# KiCad board mist1010.kicad_pcb (continued)
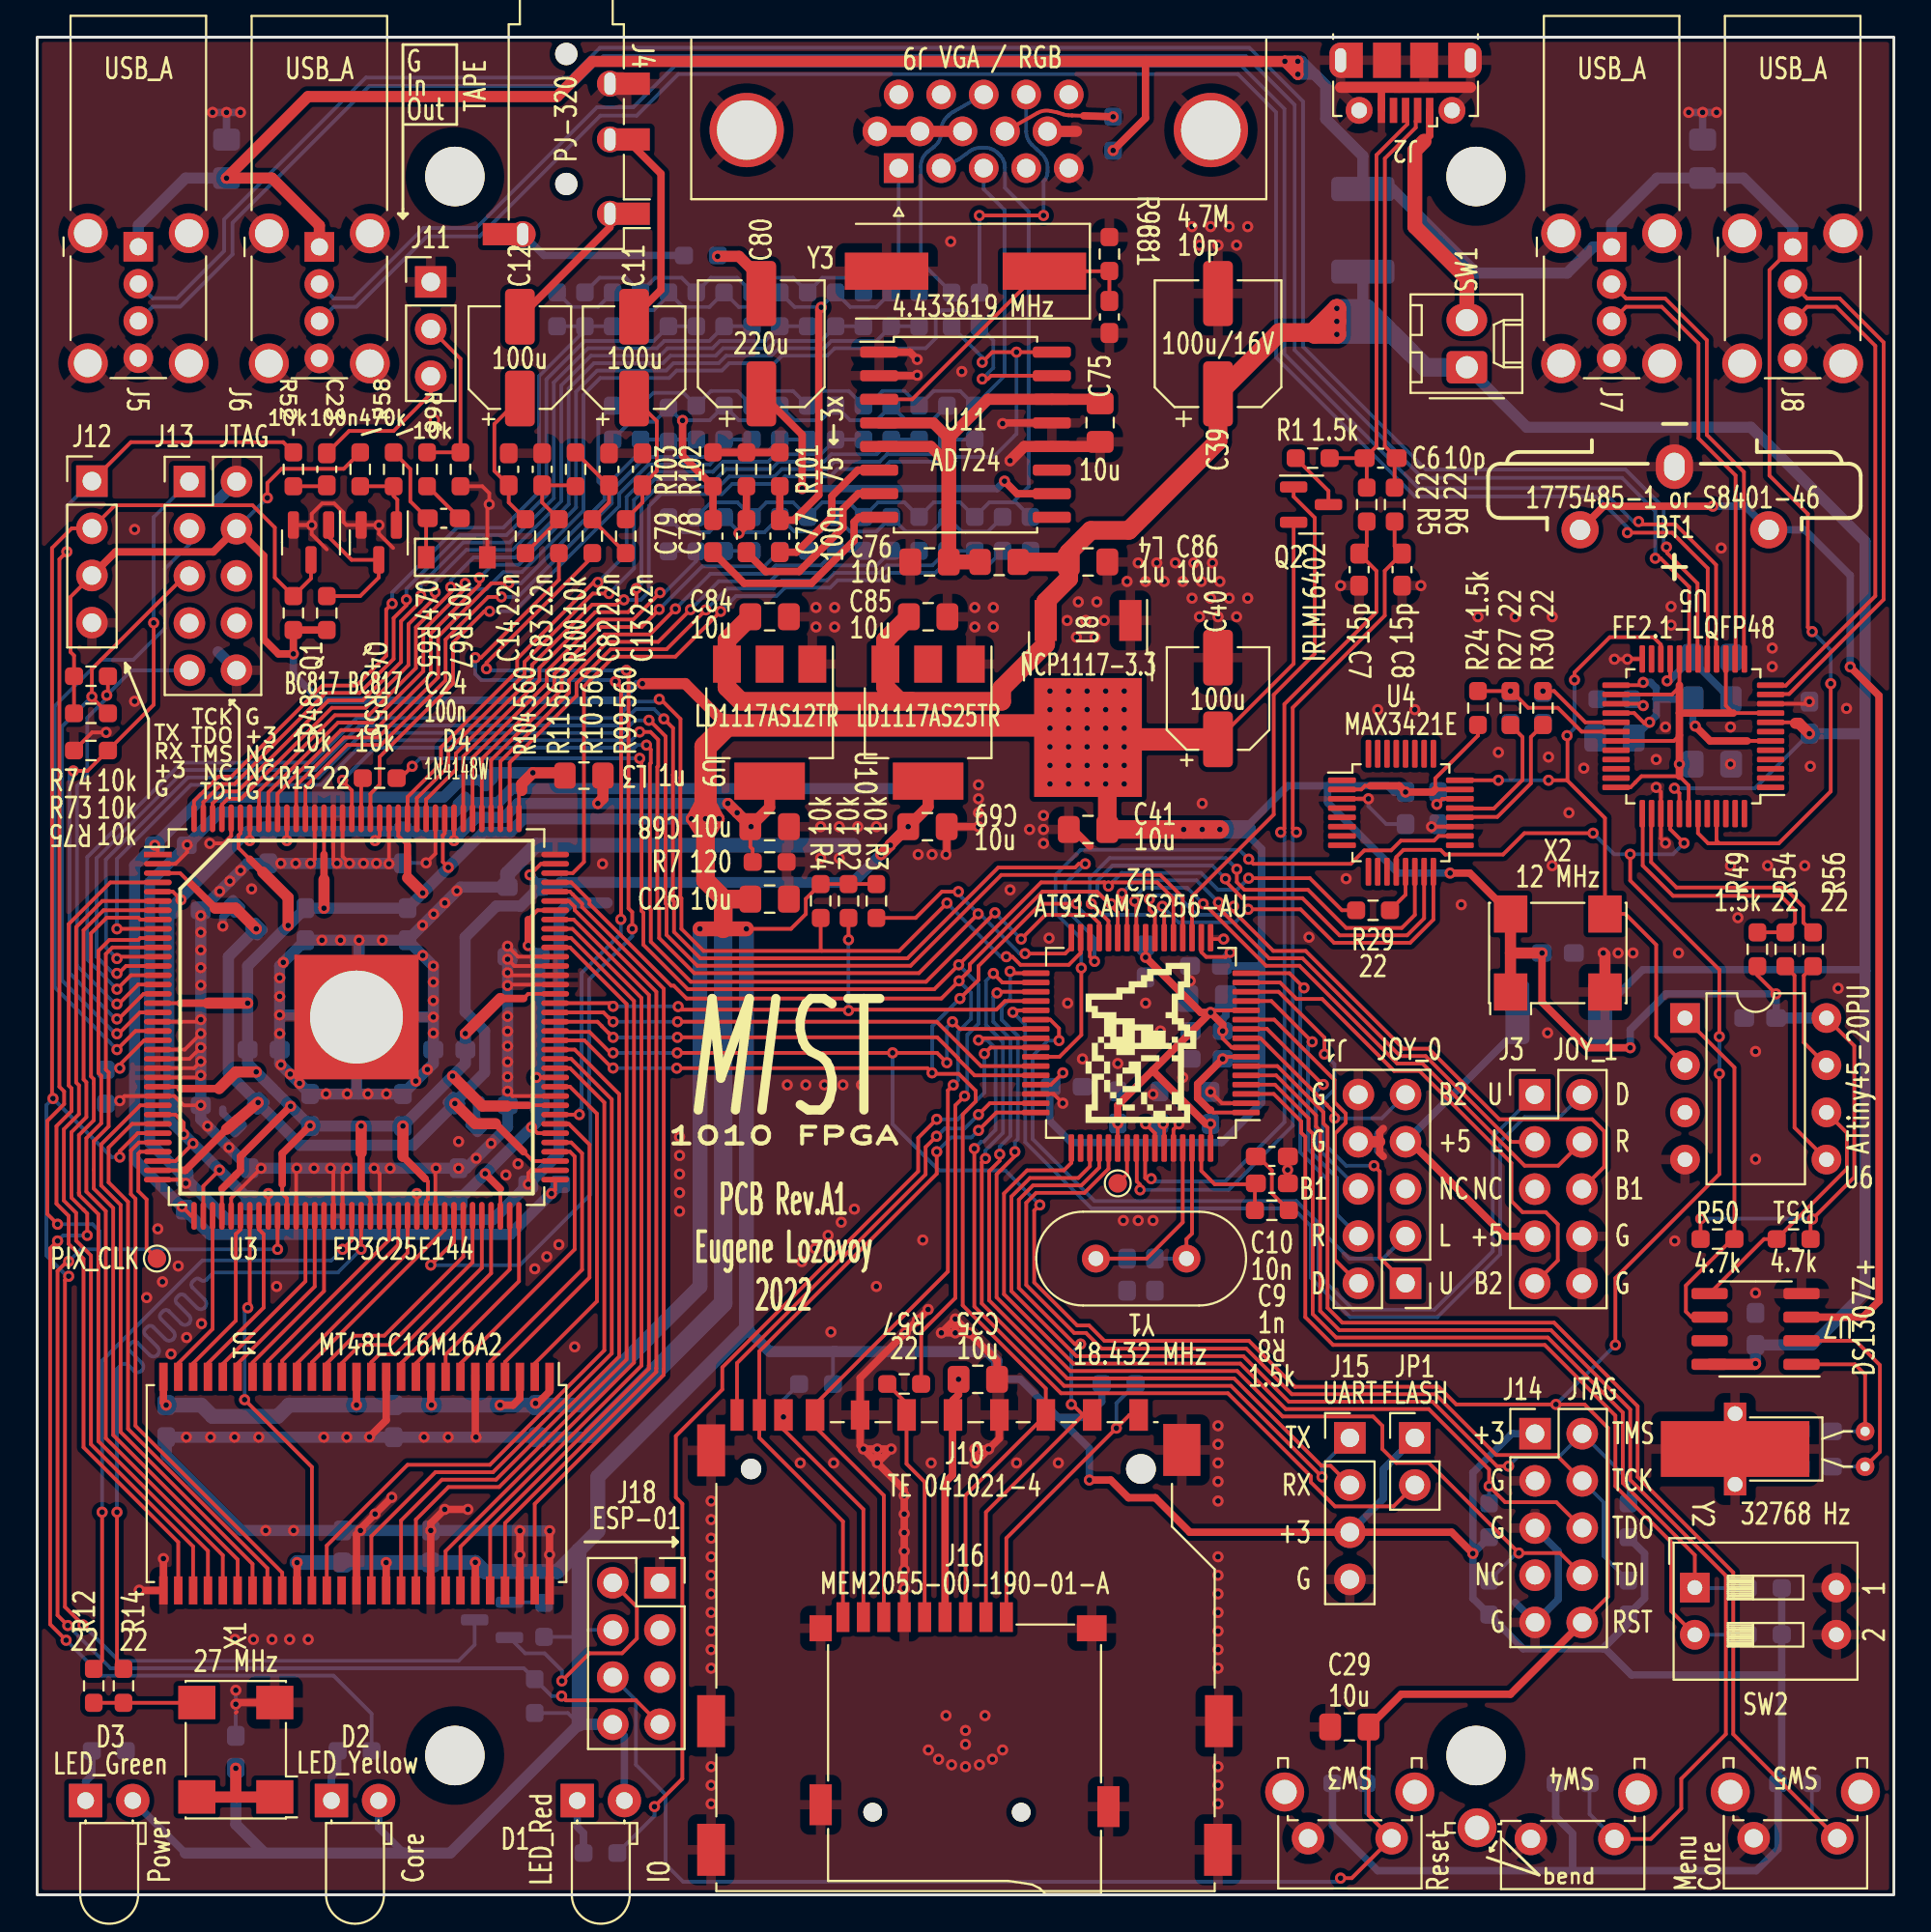
[diagram p0: board, top side]
## Routing (per net, layer and track width the routed paths; a pad name or vN(x,y) marks a point on that pad's centre or on a via; arc(x,y) is an arc through that point) (continued)
  Top w0.2: v1(87.75,72.55) 87.75,72.31 87.8,72.26 87.8,72.22 89.43,70.59 89.43,66.55 U5.18
  Bottom w0.2: v1(87.75,72.55) 87.6,72.7 87.6,74.67 85.54,76.72 74.79,76.72 68.17,83.34 68.17,96.54 65.29,99.43 30.31,99.43 28.71,97.82 17.71,97.82 10.08,90.19 10.08,88.49 7.53,85.95 6.22,85.95 J5.2
/USBHUB1_DP: length 115.4
  Top w0.2: v1(87.15,71.95) 87.43,71.95 88.97,70.41 88.97,66.55 U5.19
  Bottom w0.2: v1(87.15,71.95) 87.15,74.48 85.36,76.27 74.61,76.27 67.73,83.16 67.73,96.36 65.1,98.98 30.5,98.98 28.89,97.38 17.89,97.38 10.52,90.01 10.52,88.31 7.71,85.49 6.22,85.49 J5.3
/USBHUB2_DN: length 104.7
  Top w0.2: v1(86.25,73.93) 86.4,73.77 88.24,73.77 90.43,71.59 90.43,66.55 U5.16
  Bottom w0.2: v1(86.25,73.93) 85.97,73.93 84.17,75.72 74.39,75.72 67.17,82.94 67.17,96.14 64.86,98.46 34.34,98.46 32.11,96.22 30.15,96.22 23.65,89.72 20.81,89.72 17.02,85.94 15.97,85.94 J6.2
/USBHUB2_DP: length 104.1
  Top w0.2: v1(85.65,73.32) 88.06,73.32 89.97,71.41 89.97,66.55 U5.17
  Bottom w0.2: v1(85.65,73.32) 85.65,73.61 83.98,75.27 74.21,75.27 66.73,82.76 66.73,95.96 64.67,98.01 34.53,98.01 32.29,95.77 30.33,95.77 23.83,89.27 20.99,89.27 17.2,85.48 15.97,85.48 J6.3
/USBHUB3_DN: length 24.4
  Top w0.2: U5.13 91.93,66.55 91.93,76.59 89.92,78.59 89.92,83.69 87.68,85.94 85.57,85.94 J7.2
/USBHUB3_DP: length 23.6
  Top w0.2: J7.3 85.57,85.48 87.5,85.48 89.48,83.51 89.48,78.41 91.47,76.41 91.47,66.55 U5.14
/USBHUB4_DN: length 28.2
  Top w0.2: U5.11 93.39,64.64 94.36,64.64 99.45,69.73 99.45,83.57 97.08,85.94 95.32,85.94 J8.2
/USBHUB4_DP: length 26.8
  Top w0.2: U5.12 93.39,65.09 94.17,65.09 99,69.92 99,83.38 96.9,85.48 95.32,85.48 J8.3
/VGA_B0: length 41.4
  Top w0.2: v1(32.28,70.32) 32.28,69.5 31.83,69.05 30.06,69.05 27.05,66.04 27.05,65.38 22.95,61.28 U3.115
  Bottom w0.2: R41.1 R97.1 48.21,77.55 45.78,77.55 45.38,77.15 42.94,77.15 42.54,76.75 40.11,76.75 39.71,76.35 37.27,76.35 36.72,75.8 33.43,75.8 32.55,74.92 32.55,70.6 v1(32.28,70.32)
/VGA_B1: length 39.2
  Top w0.2: v1(30.8,70.05) 29.93,70.05 26.25,66.37 26.25,65.71 22.15,61.61 22.15,60.73 20.45,59.03 U3.120
  Bottom w0.2: v1(30.8,70.05) 32.15,71.4 32.15,75.09 33.26,76.2 36.56,76.2 37.11,76.75 39.54,76.75 39.94,77.15 42.38,77.15 42.78,77.55 45.21,77.55 R96.1 R40.1
/VGA_B2: length 36.4
  Top w0.2: v1(30.2,70.65) 29.96,70.65 25.85,66.54 25.85,65.87 21.75,61.77 21.75,60.9 19.95,59.1 U3.121
  Bottom w0.2: R39.1 R95.1 42.21,77.55 39.78,77.55 39.38,77.15 36.94,77.15 36.39,76.6 33.1,76.6 31.75,75.25 31.75,72.2 v1(30.2,70.65)
/VGA_B3: length 35.3
  Top w0.2: U3.125 17.95,59.27 18.45,59.77 18.45,61.26 22.4,65.21 22.4,67.41 24.08,69.09 v1(24.37,69.09)
  Bottom w0.2: R37.1 R94.1 39.21,77.55 36.78,77.55 36.23,77 32.93,77 31.35,75.42 31.35,74.75 25.69,69.09 v1(24.37,69.09)
/VGA_B4: length 35.2
  Top w0.2: U3.132 14.45,59.65 16.7,61.9 18.53,61.9 22,65.37 22,67.57 24.29,69.87 v1(25,69.87)
  Bottom w0.2: v1(25,69.87) 25.9,69.87 30.95,74.91 30.95,75.58 32.77,77.4 36.06,77.4 R93.1 R35.1
/VGA_B5: length 38.1
  Top w0.2: U3.133 13.95,59.72 16.54,62.3 18.36,62.3 21.6,65.54 21.6,67.74 24.46,70.6 v1(25.4,70.6)
  Bottom w0.2: v1(25.4,70.6) 26.07,70.6 30.55,75.08 30.55,75.75 ; R91.1 30.23,79.39 30.23,76.07 30.55,75.75 ; 30.55,75.75 32.5,77.7 R33.1 33.85,78.34 34,78.19 34.15,78.34 R34.1
/VGA_G0: length 38.3
  Top w0.2: U3.106 28.85,55 29.45,55.6 29.45,65.05 31.05,66.65 34.38,66.65 v1(36.81,69.09)
  Bottom w0.2: v1(36.81,69.09) 37.64,69.91 39.82,69.91 40.27,70.36 42.71,70.36 43.11,70.76 45.54,70.76 45.94,71.16 48.38,71.16 48.78,71.56 51.21,71.56 R90.1 R32.1
/VGA_G1: length 33.2
  Top w0.2: U3.110 25.45,60.95 29.05,64.55 29.05,65.22 30.89,67.05 33.9,67.05 v1(36.02,69.17)
  Bottom w0.2: v1(36.02,69.17) 37.16,70.31 39.66,70.31 40.11,70.76 42.54,70.76 42.94,71.16 45.38,71.16 45.78,71.56 48.21,71.56 R88.1 R31.1
/VGA_G2: length 30.7
  Top w0.2: U3.111 24.95,61.02 28.65,64.72 28.65,65.38 30.72,67.45 33.45,67.45 v1(35.19,69.19)
  Bottom w0.2: v1(35.19,69.19) 36.71,70.71 39.49,70.71 39.94,71.16 42.38,71.16 42.78,71.56 45.21,71.56 R87.1 R28.1
/VGA_G3: length 28.2
  Top w0.2: v1(34.38,69.22) 33,67.85 30.55,67.85 28.25,65.55 28.25,64.88 24.45,61.08 U3.112
  Bottom w0.2: R26.1 R86.1 42.21,71.56 39.78,71.56 39.33,71.11 36.27,71.11 v1(34.38,69.22)
/VGA_G4: length 25.8
  Top w0.2: v1(33.5,69.2) 32.55,68.25 30.39,68.25 27.85,65.71 27.85,65.05 23.95,61.15 U3.113
  Bottom w0.2: R25.1 R85.1 39.16,71.51 35.82,71.51 v1(33.5,69.2)
/VGA_G5: length 25.1
  Top w0.2: v1(33.54,70.1) 33.54,70.09 32.11,68.65 30.22,68.65 27.45,65.88 27.45,65.21 23.45,61.21 U3.114
  Bottom w0.2: 35.5,72.35 35.5,71.81 33.79,70.1 v1(33.54,70.1) ; 35.5,72.35 38.5,72.35 ; 35.5,72.35 34,72.35
/VGA_HS: length 55.5
  Top w0.2: U11.16 51.45,83.04 v1(50.9,82.5) ; U3.119 20.95,58.97 22.55,60.57 22.55,61.44 26.65,65.54 26.65,66.21 29.89,69.45 31.2,69.45 31.46,69.71 v1(31.6,69.71)
  Bottom w0.2: v1(50.9,82.5) 50.9,82.77 R43.1 ; v1(31.6,69.71) 32.51,69.71 32.95,70.15 32.95,74.76 33.59,75.4 36.89,75.4 37.44,75.95 39.87,75.95 40.27,76.35 42.71,76.35 43.11,76.75 45.54,76.75 45.94,77.15 48.38,77.15 48.63,77.4 51.5,77.4 52.74,78.64 v1(52.74,83.04)
/VGA_R0: length 51.5
  Top w0.2: U3.135 12.95,59.28 16.37,62.7 18.2,62.7 21.2,65.7 21.2,67.9 23.82,70.53 v1(23.82,70.89)
  Bottom w0.2: v1(23.82,70.89) 24.53,71.6 25.94,71.6 29.03,74.69 29.03,80.92 30.16,82.05 33.87,82.05 34.27,82.45 36.71,82.45 37.11,82.85 39.54,82.85 39.94,83.25 42.38,83.25 42.78,83.65 45.21,83.65 R82.1 R21.1
/VGA_R1: length 49.7
  Top w0.2: v1(22.28,70.39) 22.28,70.11 20.4,68.23 20.4,66.03 17.87,63.5 16.04,63.5 11.95,59.41 U3.137
  Bottom w0.2: v1(22.28,70.39) 22.28,70.76 23.51,72 25.77,72 28.63,74.85 28.63,81.08 29.99,82.45 33.71,82.45 34.11,82.85 36.54,82.85 36.94,83.25 39.38,83.25 39.78,83.65 42.21,83.65 R81.1 R20.1
/VGA_R2: length 48.4
  Top w0.2: U3.141 9.95,58.69 10.26,59 10.97,59 15.87,63.9 17.7,63.9 20,66.2 20,68.4 21.44,69.84 v1(21.44,70.12)
  Bottom w0.2: v1(21.44,70.12) 21.44,70.72 23.11,72.4 25.61,72.4 28.23,75.02 28.23,81.25 29.83,82.85 33.54,82.85 33.94,83.25 36.38,83.25 36.78,83.65 39.21,83.65 R80.1 R19.1
/VGA_R3: length 45.9
  Top w0.2: U3.142 9.45,58.75 10.1,59.4 10.8,59.4 15.7,64.3 17.53,64.3 19.6,66.36 19.6,68.56 20.66,69.63 v1(20.66,69.93)
  Bottom w0.2: v1(20.66,69.93) 20.66,70.51 22.95,72.8 25.44,72.8 27.83,75.18 27.83,81.42 29.66,83.25 33.38,83.25 33.78,83.65 36.21,83.65 R79.1 R18.1
/VGA_R4: length 43.5
  Top w0.2: U3.143 8.95,58.82 9.93,59.8 10.63,59.8 15.53,64.7 17.37,64.7 19.2,66.53 19.2,68.73 19.89,69.42 v1(19.89,69.72)
  Bottom w0.2: R17.1 R78.1 33.21,83.65 29.5,83.65 27.43,81.58 27.43,75.35 25.28,73.2 22.78,73.2 19.89,70.31 v1(19.89,69.72)
/VGA_R5: length 42.7
  Top w0.2: U3.144 8.45,58.88 9.77,60.2 10.47,60.2 15.37,65.1 17.2,65.1 18.8,66.7 18.8,69.19 v1(19.12,69.51)
  Bottom w0.2: v1(19.12,69.51) 19.12,70.1 22.62,73.6 25.11,73.6 27.03,75.51 27.03,81.75 29.5,84.22 R15.1 ; R76.1 R16.1
/VGA_VS: length 64.1
  Top w0.2: U11.15 51.37,81.77 51.2,81.6 v1(50.9,81.6) ; U3.136 12.45,59.35 16.21,63.1 18.03,63.1 20.8,65.87 20.8,68.07 23.05,70.32 v1(23.05,70.6)
  Bottom w0.2: v1(23.05,70.6) 23.36,70.29 24.21,70.29 25.11,71.2 26.11,71.2 29.43,74.52 29.43,80.75 30.33,81.65 34.04,81.65 34.44,82.05 36.87,82.05 37.27,82.45 39.71,82.45 40.11,82.85 42.54,82.85 42.94,83.25 47.85,83.25 48.4,83.8 48.4,85 48.7,85.3 49.87,85.3 R42.1 51.5,83.68 51.5,82.2 v1(50.9,81.6)
/VS: length 14.6
  Top w0.2: v1(54.2,90.4) v1(50.75,90.4)
  Bottom w0.2: J9.14 53.27,94.93 arc(53.35,94.53) 53.59,94.19 54.1,93.72 arc(54.34,93.38) 54.42,92.98 54.42,92.81 54.42,92.72 54.38,92.52 54.3,92.34 54.2,92.24 v1(54.2,90.4) ; v1(50.75,90.4) R42.2
/~{JOY0_B1}: length 12.2
  Top w0.2: v1(69.27,43.62) 69.23,43.62 66.24,46.61 U2.10
  Bottom w0.2: J1.6 68.85,40.31 68.85,43.2 v1(69.27,43.62)
/~{JOY0_B2}: length 11.1
  Top w0.2: U2.9 65.89,46.11 69.47,42.53 69.47,42.5 69.88,42.09 v1(69.88,41.81)
  Bottom w0.2: v1(69.88,41.81) 69.89,41.8 72.42,41.8 J1.9
/~{JOY0_DOWN}: length 18.1
  Top w0.2: U2.11 66.63,47.11 69.87,43.87 69.87,42.67 70.48,42.06 70.48,41.56 69.9,40.98 69.9,34.18 J1.2
/~{JOY0_LEFT}: length 22.7
  Top w0.2: v1(68.23,48.83) 67.44,49.61 U2.16
  Bottom w0.2: J1.3 72.49,34.25 70.67,34.25 69.5,35.42 69.5,38.5 68.03,39.97 68.03,48.63 v1(68.23,48.83)
/~{JOY0_RIGHT}: length 16.1
  Top w0.2: U2.13 66.48,48.11 v1(68.67,45.92)
  Bottom w0.2: J1.4 70,36.62 70,38.59 68.45,40.14 68.45,45.7 v1(68.67,45.92)
/~{JOY0_UP}: length 21.7
  Top w0.2: v1(69.33,45.26) 69.33,46.15 66.86,48.61 U2.14 ; J1.1 72.31,34.31 72.31,38.94 v1(72,39.25)
  Bottom w0.2: v1(72,39.25) 70.5,39.25 69.25,40.5 69.25,42.75 69.87,43.37 69.87,44.72 v1(69.33,45.26)
/~{JOY1_B1}: length 36.2
  Top w0.2: J3.6 84.4,39.19 84.4,41.1 83.75,41.75 78.75,41.75 74.95,45.55 73.58,45.55 68.32,50.81 66.58,50.81 64.44,52.95 v1(64.44,53.21) ; U2.23 60.2,52.73 59.9,53.03 v1(59.9,53.6)
  Bottom w0.2: v1(64.44,53.21) 63.98,52.75 62.45,52.75 61.39,53.81 60.11,53.81 v1(59.9,53.6)
/~{JOY1_B2}: length 27.1
  Top w0.2: U2.15 66.94,49.11 67.83,48.23 69.21,48.23 73.08,44.35 74.45,44.35 79.4,39.4 79.4,37.35 80,36.75 81.25,36.75 81.9,36.1 81.9,34.15 J3.9
/~{JOY1_DOWN}: length 52.6
  Top w0.2: v1(52.55,47.51) 52.66,47.61 U2.37
  Bottom w0.2: v1(52.55,47.51) 53.22,46.84 53.22,40.52 56.79,36.95 67.65,36.95 68.6,36 68.6,33.21 70.71,31.1 75.42,31.1 78.8,34.48 78.8,40.55 80.12,41.87 82,41.87 J3.2
/~{JOY1_LEFT}: length 31
  Top w0.2: U2.26 58.7,53.01 58.45,53.26 58.45,53.88 v1(58.42,53.9) ; J3.3 79.4,40.53 74.78,45.15 73.42,45.15 68.15,50.41 66.35,50.41 63.62,53.14 v1(63.62,53.42)
  Bottom w0.2: v1(63.62,53.42) 62.44,54.61 59.14,54.61 v1(58.42,53.9)
/~{JOY1_RIGHT}: length 33.2
  Top w0.2: v1(62.8,53.35) 62.85,53.35 66.19,50.01 67.99,50.01 73.25,44.75 74.62,44.75 80.12,39.25 81.92,39.25 J3.4 ; U2.25 59.2,53.4 v1(59.11,53.49)
  Bottom w0.2: v1(59.11,53.49) 59.11,53.7 59.63,54.21 61.94,54.21 v1(62.8,53.35)
/~{JOY1_UP}: length 49.2
  Top w0.2: v1(55.04,45.99) 55.04,46.64 54.56,47.11 U2.38
  Bottom w0.2: J3.1 78.4,40.81 78.4,34.65 75.25,31.5 70.88,31.5 69,33.38 69,36.17 67.82,37.35 56.95,37.35 53.62,40.69 53.62,45.17 54.44,45.99 55.02,45.99
/~{LED_ARM}: length 55.1
  Top w0.2: v1(51.02,45.28) 51.35,45.61 U2.41 ; v1(48.45,41.75) 47.45,40.75 47.45,38.95 36.9,28.4 36.9,27.2 34.4,24.7 34.4,21.4 34.75,21.05 34.75,6.25 v1(33.25,4.75)
  Bottom w0.2: v1(33.25,4.75) 33.25,4.25 R45.2 ; v1(51.02,45.28) 51.02,43.18 49.59,41.75 v1(48.45,41.75)
/~{LED_FPGA}: length 65.4
  Top w0.2: v1(1.1,35.2) 0.7,34.8 0.7,14.56 1.56,13.71 v1(1.56,13.71) ; U3.7 3.58,53 2.5,51.93 2.5,43.89 2.65,43.74 2.65,41.86 1.85,41.06 1.85,37.64 1.85,37.63 1.85,37.52 2.7,36.68 v1(2.7,35.5)
  Bottom w0.2: v1(1.56,13.71) 3.47,11.8 15.96,11.8 18.01,9.75 R46.2 ; v1(1.1,35.2) 1.4,35.5 v1(2.7,35.5)
/~{RAM_CAS}: length 11.6
  Top w0.2: U1.17 14.8,28.66 21.95,35.81 U3.64
/~{RAM_CS}: length 11.3
  Top w0.2: U1.19 13.2,28.75 19.45,35 U3.59
/~{RAM_RAS}: length 11.1
  Top w0.2: U3.60 19.95,34.56 14,28.61 U1.18
/~{RAM_WE}: length 12.7
  Top w0.2: U3.66 22.95,34.35 18.7,30.1 17.09,30.1 15.6,28.61 U1.16
Net-(C1-Pad2): length 29.5
  Top w0.2: U2.12 63.31,47.61 v1(63.2,47.5) ; v1(63.85,46.5) 63.85,46.1 64.34,45.61 U2.8 ; U2.64 v1(63.2,41.5) ; U2.54 v1(58.2,41.52) ; U2.24 v1(59.7,50.47)
  Top w0.4: v1(63.85,46.5) 63.85,46.85 v1(63.2,47.5) ; v1(63.2,47.5) 62.67,47.5 v1(59.7,50.47) ; v1(63.2,47.5) 60.08,44.38 ; 60.08,44.38 58.2,42.5 v1(58.2,41.52) ; 60.08,44.38 62.95,41.5 v1(63.2,41.5)
  Bottom w0.2: v1(63.2,47.5) 63.27,47.5 C1.2 ; v1(59.7,50.47) C3.2
  Bottom w0.4: C1.2 64.02,47.32 63.85,47.15 v1(63.85,46.5)
Net-(C9-Pad1): length 5.9
  Top w0.2: 65.59,36.8 65.59,38.25 63.43,38.25 62.7,38.98 U2.63
Net-(C10-Pad1): length 3.7
  Top w0.2: R8.1 66.5,37.76 66.5,39 65.75,39.75 C10.1
Net-(C11-Pad1): length 7.7
  Top w0.2: C11.1 33.37,79.33 33.37,76.65 C13.1 32.6,74.95 R99.2
Net-(C11-Pad2): length 10.9
  Top w0.4: C11.2 33.6,86.4 33.6,92.64 31.75,94.5
Net-(C12-Pad1): length 7.8
  Top w0.2: C12.1 24.63,79.18 24.63,76.65 C14.1 25.4,74.95 R104.2
Net-(C12-Pad2): length 8.4
  Top w0.4: 25.45,84.38 30.85,89.77 30.85,90.5
Net-(C15-Pad1): length 7.8
  Top w0.2: Y1.1 61.9,35.3 62.2,35.6 U2.62
  Bottom w0.2: Y1.1 C15.1
Net-(C16-Pad1): length 11.2
  Top w0.2: Y1.2 59.75,34.25 61.7,36.2 U2.61
  Bottom w0.2: Y1.2 C16.1
Net-(C17-Pad2): length 6.3
  Top w0.2: U5.21 87.95,65.51 v1(87.79,65.35)
  Bottom w0.4: L1.2 89.16,66.43 C17.2 87.9,65.35 v1(87.79,65.35)
Net-(C18-Pad2): length 15.5
  Top w0.2: 86.79,63.07 86.56,63.07 86.01,63.62 U5.28 ; U5.25 86.35,65.12 v1(86.5,65.27) ; U5.6 92.1,62.12
  Top w0.4: 86.79,63.07 v1(86.84,63.12) ; 92.1,62.12 90.1,62.12 v1(89.3,62.92)
  Bottom w0.4: v1(89.3,62.92) 89.17,63.04 L1.1 87.2,64.37 ; 87.2,64.37 87.2,63.48 v1(86.84,63.12) C18.2 ; 87.2,64.37 87.2,64.97 86.9,65.27 v1(86.5,65.27)
Net-(C19-Pad2): length 28.1
  Top w0.2: U5.20 88.45,65.02 88.05,64.62 U5.26 ; U5.31 88.15,62.12 88.45,62.42 ; U5.15 90.95,64.02 91.35,63.62 U5.9 ; U5.42 88.95,59.72 88.45,60.22 86.41,60.22 86.07,59.88 86.07,59.88 85.81,59.62 U5.36
  Top w0.4: 91.35,63.62 88.45,63.62 ; 88.45,63.62 88.45,60.22 ; 88.45,63.62 88.45,65.12
  Bottom w0.4: v1(88.45,60.87) C19.2
Net-(C20-Pad1): length 8.4
  Top w0.2: U5.30 83.18,62.62 81.9,63.9 80.3,63.9 79.4,64.8 v1(79.35,64.8) R24.2
  Bottom w0.2: C20.1 v1(79.35,64.8)
Net-(C21-Pad1): length 4.7
  Top w0.2: v1(81.1,64.8) 81.7,64.8 83.38,63.12 U5.29
  Bottom w0.2: C21.1 v1(81.1,64.8)
Net-(C22-Pad2): length 2.1
  Top w0.2: 76.62,59 75.69,59 v1(75.39,58.7)
  Bottom w0.2: v1(75.39,58.7) 75.45,58.76 C22.2
Net-(C23-Pad2): length 1.8
  Top w0.2: C23.2 15.55,75.82 13.8,75.82
Net-(C24-Pad1): length 6.5
  Top w0.2: R66.1 20.1,76.75 20.1,75.01 21.02,74.09 C24.1 20.95,74.01 D4.1
Net-(C24-Pad2): length 2.5
  Top w0.2: C24.2 21.04,75.82 21,75.82
Net-(C27-Pad1): length 12.4
  Top w0.2: U7.2 97.93,29.83 99.25,28.51 99.25,23.85 Y2.2
  Bottom w0.2: C27.1 Y2.2
Net-(C28-Pad1): length 8.5
  Top w0.2: Y2.1 98.45,28.01 97.9,28.56 U7.1
  Bottom w0.2: C28.1 Y2.1
Net-(C77-Pad1): length 7.8
  Top w0.4: U11.6 44.2,76.69 42.8,75.29 42.8,74.18 40.9,72.27 C77.1
Net-(C77-Pad2): length 36.8
  Top w0.4: 40,75.82 C77.2 40.75,74 42.1,75.35 42.1,85.33 v1(42.23,85.46)
  Bottom w0.2: R82.2 45.21,85.48 43.79,85.48 R81.2 42.21,85.48 40.79,85.48 R80.2 39.21,85.48 37.79,85.48 R79.2 36.21,85.48 34.79,85.48 R78.2 34,86.1 33.2,85.3 31.96,85.3 R77.2 30.21,85.48 28.79,85.48 R76.2
Net-(C78-Pad1): length 9.9
  Top w0.4: U11.7 44.23,75.42 43.4,74.6 43.4,73.6 41.04,71.24 39.24,71.24 C78.1
Net-(C78-Pad2): length 24.4
  Top w0.4: v1(37.8,73.3) 37.8,73.32 38.2,73.72 ; 38.2,75.82 C78.2
  Bottom w0.2: R83.2 34.8,73.35 36.19,73.35 R84.2 37.81,73.35 39.17,73.35 40,74.17 40.79,73.39 42.21,73.39 43,74.17 43.79,73.39 45.21,73.39 46,74.17 46.79,73.39 48.21,73.39 49,74.17 49.79,73.39 51.21,73.39 52,74.17
Net-(C79-Pad1): length 11.7
  Top w0.4: C79.1 38.08,70.6 41.7,70.6 44,72.9 44,73.9 44.26,74.16 U11.8
Net-(C79-Pad2): length 28
  Top w0.4: v1(34.76,79.37) 34.76,77.46 36.4,75.82 C79.2
  Bottom w0.2: R97.2 48.21,79.38 46.79,79.38 R96.2 45.21,79.38 43.79,79.38 R95.2 42.21,79.38 40.79,79.38 R94.2 39.21,79.38 37.79,79.38 R93.2 36.21,79.38 34.68,79.38 R92.2 33.25,79.3 31.96,79.3 R91.2
Net-(C80-Pad1): length 19.9
  Top w0.4: v1(41.2,75.7) 41.2,78.6 C80.1 ; U11.10 52.77,75.42 v1(52.1,76.1)
  Bottom w0.4: v1(52.1,76.1) 51.7,75.7 v1(41.2,75.7)
Net-(C80-Pad2): length 3.6
  Top w0.6: v1(36.65,88.2) 37.8,88.2 39,87 C80.2
Net-(C81-Pad1): length 16.9
  Top w0.2: C81.1 R98.2 57.74,87.4 Y3.1 54.02,87.4 47.13,80.5 U11.3
Net-(C82-Pad1): length 7.3
  Top w0.2: R100.1 30.77,75.88 C82.1 30.8,74.95 R10.2 29.9,74.02 R99.1
Net-(C83-Pad1): length 6.6
  Top w0.2: 29,75.82 28.95,75.88 C83.1 27.2,74.95 R11.2 28.1,74.02 R104.1
Net-(D1-Pad1): length 3
  Bottom w0.4: D1.1 29.09,3.66 29.42,3.32 R45.1
Net-(D2-Pad1): length 2.8
  Bottom w0.4: R46.1 16.19,6.69 15.85,6.35 D2.1
Net-(D3-Pad1): length 2.8
  Bottom w0.4: D3.1 2.61,6.11 2.95,6.45 R47.1
Net-(J2-Pad1): length 12.8
  Top w0.4: 74.7,94.4 75,94.7 J2.1
  Top w0.8: 74.7,94.4 74.2,93.9 74.2,89.8 77,87 SW1.2
Net-(J9-Pad9): length 6.1
  Top w0.2: J9.9 53.88,95.92 arc(54.21,96.03) 54.56,96.03 54.89,95.96 arc(54.95,95.95) 55.01,95.93 55.26,95.85 arc(55.4,95.81) 55.54,95.79 55.72,95.79 arc(55.74,95.79) 55.76,95.79 56.37,95.77
  Top w0.4: v1(57.95,95.71) 56.37,95.77
Net-(J18-Pad2): length 12.6
  Top w0.2: J18.2 32.3,15.5 32.3,13.8 31.5,13 29.75,13 v1(28.26,11.51)
  Bottom w0.2: Q3.2 26.29,13 27.34,13 28.26,12.08 v1(28.26,11.51)
Net-(JP1-Pad2): length 47.5
  Top w0.2: JP1.2 73.05,20.91 69.9,20.91 68.6,22.21 68.6,22.53 64.13,27 55.15,27 50.48,31.67 v1(50.48,40.17) ; U2.40 50.8,46.11 v1(50.7,46.01)
  Bottom w0.2: v1(50.48,40.17) 50.86,40.55 50.99,40.55 51.62,41.18 51.62,45.57 51.17,46.01 v1(50.7,46.01)
Net-(Q1-Pad1): length 8
  Top w0.2: Q1.1 15.7,73.1 16.94,71.86 Q4.3 18.4,70.91 17.4,69.91 R55.1
Net-(Q2-Pad3): length 3.2
  Top w0.2: R1.1 69.55,75.57 Q2.3
Net-(Q3-Pad1): length 1.8
  Bottom w0.2: Q3.1 27.26,15.75
Net-(Q4-Pad1): length 4
  Top w0.2: 17.4,75.82 19.2,75.82 19.2,75.3 19.4,75.1 19.4,73.79 Q4.1
Net-(R9-Pad2): length 3.6
  Top w0.2: U3.21 5.76,46 4.45,44.69 v1(4.45,44.5)
  Bottom w0.2: R9.2 3.79,44.5 v1(4.45,44.5)
Net-(R12-Pad2): length 34.2
  Top w0.2: v1(16.45,34.75) 16.95,35.25 U3.54 ; R12.2 3.5,12.61 v1(3.5,20.6)
  Bottom w0.2: v1(3.5,20.6) 3.5,28.75 8.9,34.15 15.85,34.15 v1(16.45,34.75)
Net-(R13-Pad1): length 2.2
  Top w0.2: U3.126 17.45,60.02 R13.1
Net-(R14-Pad2): length 45.9
  Top w0.2: v1(17.45,34.75) U3.55 ; R14.2 4.3,12.51 v1(4.3,20.6)
  Bottom w0.2: v1(17.45,34.75) 16.2,33.5 9.5,33.5 9.11,33.11 arc(8.95,33.05) 8.8,33.11 arc(8.64,33.18) 8.48,33.11 8.37,33.01 arc(8.31,32.85) 8.37,32.69 9.03,32.04 arc(9.11,31.82) 9.03,31.61 arc(8.81,31.52) 8.6,31.61 7.95,32.27 arc(7.79,32.33) 7.63,32.27 7.52,32.16 arc(7.46,32) 7.52,31.84 8.18,31.19 arc(8.26,30.97) 8.18,30.76 arc(7.96,30.67) 7.75,30.76 7.1,31.42 arc(6.94,31.48) 6.78,31.42 6.67,31.31 arc(6.61,31.15) 6.67,30.99 7.33,30.34 arc(7.42,30.13) 7.33,29.91 arc(7.12,29.83) 6.9,29.91 6.25,30.57 arc(6.09,30.63) 5.93,30.57 5.83,30.46 arc(5.76,30.3) 5.83,30.14 6.48,29.49 arc(6.57,29.28) 6.48,29.07 arc(6.27,28.98) 6.06,29.07 5.4,29.72 arc(5.24,29.79) 5.08,29.72 4.98,29.61 arc(4.91,29.45) 4.98,29.3 5.63,28.64 arc(5.72,28.43) 5.63,28.22 arc(5.42,28.13) 5.21,28.22 4.92,28.5 arc(4.71,28.59) 4.5,28.5 4.3,28.3 v1(4.3,20.6)
Net-(R27-Pad1): length 7.3
  Top w0.2: 76.62,58.5 76.65,58.48 78.46,58.48 80,60.02 80,62.33 R27.1
Net-(R29-Pad2): length 2.4
  Top w0.2: R29.2 73.7,53.84 U4.13
Net-(R30-Pad1): length 8
  Top w0.2: R30.1 80.45,62.33 80.45,59.83 78.64,58.02 76.65,58.02 76.62,58
Net-(R36-Pad1): length 2.3
  Top w0.2: U5.27 86.4,64.12 v1(86.5,64.02)
  Bottom w0.2: v1(86.5,64.02) 86.21,64.02 R36.1
Net-(R50-Pad2): length 19.5
  Top w0.2: U7.6 89.1,31.1 88.8,31.4 88.8,32.8 91.3,35.3 R50.2 91.41,44.54 U6.1
Net-(R51-Pad2): length 13.7
  Top w0.2: U6.6 97.47,41.02 97.47,39.08 R51.2 93.01,35.3 U7.5
Net-(R54-Pad1): length 11.3
  Top w0.2: U6.5 94.65,41.3 94.65,49.49 R54.1
Net-(R56-Pad1): length 6
  Top w0.2: R56.1 95.15,49.49 95.15,45.88 U6.7
Net-(TP2-Pad1): length 2.1
  Top w0.2: U2.55 58.7,38.8 TP2.1

## Copper pours and planes (outline as drawn; the poured copper is in the pictures)
+3V3 on Bottom: 59,59.2 54.15,59.2 54.15,65.3 59,65.3
GND on Top, Bottom: 100.2,-0.5 -0.3,-0.5 -0.3,100.25 100.2,100.25

## Text on the board
B.Silkscreen: 3x | VGA | PAL
F.Fab: Layers: 2 / Dimensions: 100x100mm / Thickness: 1.6mm | Min clearance: 0.2mm / Min track: 0.2mm / Min hole: 0.3mm / Min annular ring: 0.15mm
F.Silkscreen: 3x | PCB Rev.A1 / Eugene Lozovoy / 2022 | 1010 FPGA | ST | MI
